# Altium PCB H-00488.PcbDoc (part 5 of 9)
Units mm, origin at the board's own origin, x right, y up, seen from the top; angles counter-clockwise.
Board outline 141.5 x 129 mm, 4 copper layers (Top Layer, Ground Plane, Power Plane, Bottom Layer), stack 1.536 mm thick; 527 components, 572 nets, 2185 pads, 1060 vias.
Unrouted connection lines stored in the file: 97.
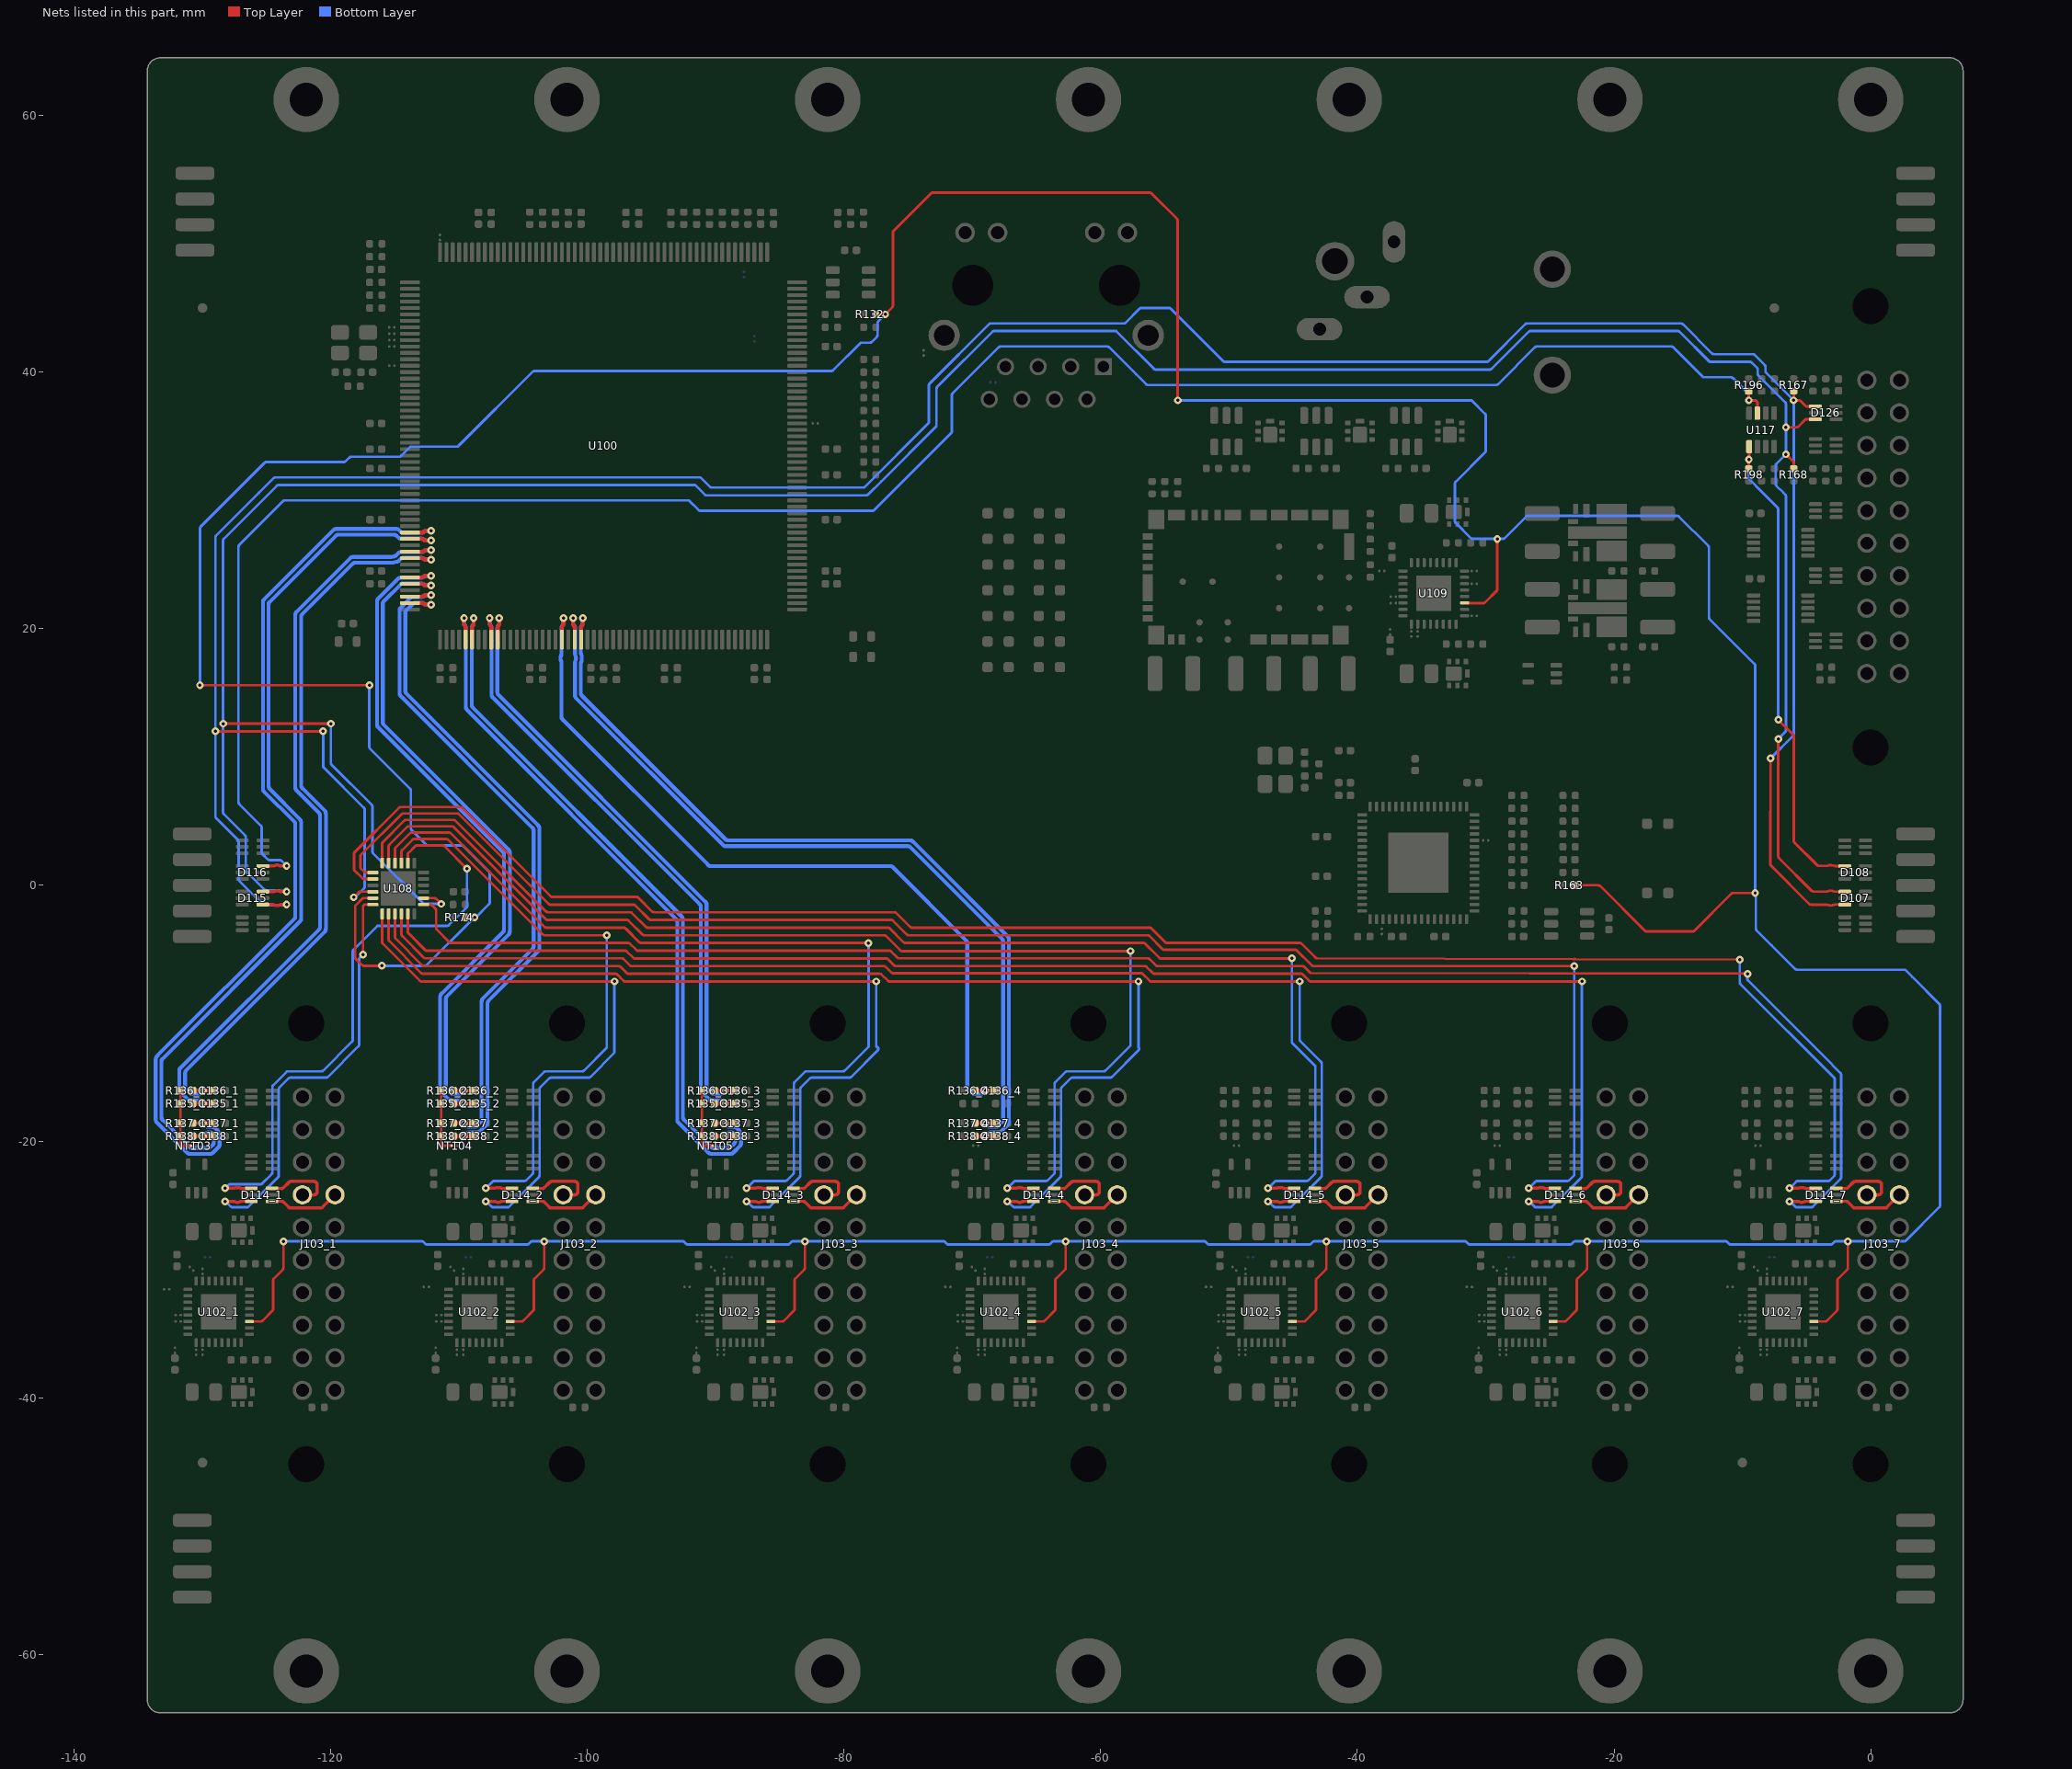
[diagram p7: the nets of this part, all layers, seen from the top]

## Via types
v1: diameter 0.6, hole 0.25, Top Layer to Bottom Layer, 934 vias
v2: diameter 0.7, hole 0.3, Top Layer to Bottom Layer, 112 vias
v3: diameter 1.27, hole 0.711, Top Layer to Bottom Layer, 14 vias

## Nets (pads, with @x,y where several pads share a name; then routed paths per layer and width w, separated by ;. In a path a pad name is that pad's centre, name@x,y a point inside that pad or via, vN(x,y) a via of type N, cw(c..) or ccw(c..) an arc to the next point about the centre after c; other vN are vias at no path point) (continued)
I2C0.SDA: R132.2 R163.2 R174.1 U102_1.19 U102_2.19 U102_3.19 U102_4.19 U102_5.19 U102_6.19 U102_7.19 U108.11 U109.19 | length 502.6
  Top Layer w0.2: v1(-130.2,15.6) v1(-117,15.6) ; U102_1.19@-126.346,-34.004 -125.479,-34.004 ccw(c-125.479,-33.804) -125.337,-33.945 -124.555,-33.163 ccw(c-124.696,-33.021) -124.496,-33.021 -124.496,-30.783 cw(c-124.296,-30.783) -124.437,-30.641 -123.759,-29.963 ccw(c-123.9,-29.821) -123.7,-29.821 v1(-123.7,-27.754) ; U108.11@-116.725,-1 -117.426,-1 -117.427,-1 ccw(c-117.426,-1.2) -117.568,-1.06 -118.043,-1.544 ccw(c-117.9,-1.684) -118.1,-1.684 -118.1,-5.619 ccw(c-117.9,-5.617) -118.041,-5.759 -117.581,-6.219 ccw(c-117.44,-6.077) -117.44,-6.277 v1(-116.016,-6.277) ; R174.1@-109.52,-2.5 v1(-108.8,-2.5) ; U102_2.19@-106.026,-34.004 -105.159,-34.004 ccw(c-105.159,-33.804) -105.017,-33.945 -104.235,-33.163 ccw(c-104.376,-33.021) -104.176,-33.021 -104.176,-30.783 cw(c-103.976,-30.783) -104.117,-30.641 -103.439,-29.963 ccw(c-103.58,-29.821) -103.38,-29.821 v1(-103.38,-27.754) ; U102_3.19@-85.706,-34.004 -84.839,-34.004 ccw(c-84.839,-33.804) -84.697,-33.945 -83.915,-33.163 ccw(c-84.056,-33.021) -83.856,-33.021 -83.856,-30.783 cw(c-83.656,-30.783) -83.797,-30.641 -83.119,-29.963 ccw(c-83.26,-29.821) -83.06,-29.821 v1(-83.06,-27.754) ; R132.2@-77.52,44.5 v1(-76.8,44.5) -76.258,45.042 ; -76.258,45.042 ccw(c-76.399,45.183) -76.199,45.183 -76.199,50.887 cw(c-75.999,50.887) -76.141,51.028 -73.228,53.941 cw(c-73.086,53.8) -73.086,54 -56.183,54 cw(c-56.183,53.8) -56.041,53.941 -54.059,51.959 cw(c-54.2,51.817) -54,51.817 v1(-54,37.8) ; U102_4.19@-65.386,-34.004 -64.519,-34.004 ccw(c-64.519,-33.804) -64.377,-33.945 -63.595,-33.163 ccw(c-63.736,-33.021) -63.536,-33.021 -63.536,-30.783 cw(c-63.336,-30.783) -63.477,-30.641 -62.799,-29.963 ccw(c-62.94,-29.821) -62.74,-29.821 v1(-62.74,-27.754) ; U102_5.19@-45.066,-34.004 -44.199,-34.004 ccw(c-44.199,-33.804) -44.057,-33.945 -43.275,-33.163 ccw(c-43.416,-33.021) -43.216,-33.021 -43.216,-30.783 cw(c-43.016,-30.783) -43.157,-30.641 -42.479,-29.963 ccw(c-42.62,-29.821) -42.42,-29.821 v1(-42.42,-27.754) ; U109.19@-31.65,22 -30.183,22 ccw(c-30.183,22.2) -30.042,22.058 -29.158,22.942 ccw(c-29.3,23.083) -29.1,23.083 v1(-29.1,27) ; U102_6.19@-24.746,-34.004 -23.879,-34.004 ccw(c-23.879,-33.804) -23.737,-33.945 -22.955,-33.163 ccw(c-23.096,-33.021) -22.896,-33.021 -22.896,-30.783 cw(c-22.696,-30.783) -22.837,-30.641 -22.159,-29.963 ccw(c-22.3,-29.821) -22.1,-29.821 v1(-22.1,-27.754) ; R163.2@-23.02,0 -21.23,0 cw(c-21.23,-0.2) -21.089,-0.058 -17.605,-3.541 ccw(c-17.464,-3.4) -17.464,-3.6 -13.883,-3.6 ccw(c-13.883,-3.4) -13.742,-3.542 -10.858,-0.658 cw(c-10.717,-0.8) -10.718,-0.6 ; -10.717,-0.6 v1(-9,-0.6) ; U102_7.19@-4.426,-34.004 -3.559,-34.004 ccw(c-3.559,-33.804) -3.417,-33.945 -2.635,-33.163 ccw(c-2.776,-33.021) -2.576,-33.021 -2.576,-30.783 cw(c-2.376,-30.783) -2.517,-30.641 -1.839,-29.963 ccw(c-1.98,-29.821) -1.78,-29.821 v1(-1.78,-27.754)
  Bottom Layer w0.2: v1(-130.2,15.6) -130.2,27.817 cw(c-130,27.817) -130.141,27.959 -125.159,32.941 cw(c-125.017,32.8) -125.017,33 -118.983,33 ccw(c-118.983,33.2) -118.841,33.059 -118.559,33.341 cw(c-118.417,33.2) -118.417,33.4 -114.683,33.4 ccw(c-114.683,33.6) -114.541,33.459 -113.858,34.142 cw(c-113.717,34) -113.717,34.2 -110.1,34.2 -110,34.3 -104.259,40.041 cw(c-104.117,39.9) -104.117,40.1 -80.983,40.1 ccw(c-80.983,40.3) -80.841,40.159 -78.759,42.241 cw(c-78.617,42.1) -78.617,42.3 -77.983,42.3 ccw(c-77.983,42.5) -77.841,42.359 -77.459,42.741 ccw(c-77.6,42.883) -77.4,42.883 -77.4,43.817 cw(c-77.2,43.817) -77.341,43.959 v1(-76.8,44.5) ; v1@-123.566,-27.749 -112.911,-27.749 cw(c-112.911,-27.949) -112.769,-27.808 -112.633,-27.945 ccw(c-112.491,-27.804) -112.491,-28.003 -104.72,-28.003 ccw(c-104.72,-27.804) -104.578,-27.945 -104.442,-27.808 cw(c-104.3,-27.949) -104.3,-27.749 v1@-103.38,-27.749 ; v1(-117,15.6) -117,10.781 ccw(c-116.8,10.783) -116.941,10.641 -113.828,7.528 cw(c-113.969,7.386) -113.769,7.386 -113.769,4.452 ccw(c-113.569,4.452) -113.71,4.31 -112.559,3.159 ccw(c-112.417,3.3) -112.417,3.1 -109.783,3.1 cw(c-109.783,2.9) -109.641,3.041 -107.684,1.084 cw(c-107.825,0.942) -107.625,0.942 -107.625,-1.342 cw(c-107.825,-1.342) -107.684,-1.484 -108.7,-2.5 v1(-108.8,-2.5) -112.519,-6.219 cw(c-112.66,-6.077) -112.66,-6.277 v1(-116.016,-6.277) ; v1@-103.246,-27.749 -92.591,-27.749 cw(c-92.591,-27.949) -92.449,-27.808 -92.313,-27.945 ccw(c-92.171,-27.804) -92.171,-28.003 -84.4,-28.003 ccw(c-84.4,-27.804) -84.258,-27.945 -84.122,-27.808 cw(c-83.98,-27.949) -83.98,-27.749 v1@-83.06,-27.749 ; v1@-82.926,-27.749 -72.271,-27.749 cw(c-72.271,-27.949) -72.129,-27.808 -71.993,-27.945 ccw(c-71.851,-27.804) -71.851,-28.003 -64.08,-28.003 ccw(c-64.08,-27.804) -63.938,-27.945 -63.802,-27.808 cw(c-63.66,-27.949) -63.66,-27.749 v1@-62.74,-27.749 ; v1@-62.606,-27.749 -51.951,-27.749 cw(c-51.951,-27.949) -51.809,-27.808 -51.673,-27.945 ccw(c-51.531,-27.804) -51.531,-28.003 -43.76,-28.003 ccw(c-43.76,-27.804) -43.618,-27.945 -43.482,-27.808 cw(c-43.34,-27.949) -43.34,-27.749 v1@-42.42,-27.749 ; v1(-54,37.8) -31.1,37.8 -31.042,37.742 -30.059,36.759 cw(c-30.2,36.617) -30,36.617 -30,33.883 cw(c-30.2,33.883) -30.058,33.742 -32.342,31.458 ccw(c-32.2,31.317) -32.4,31.318 -32.4,28.381 ccw(c-32.2,28.383) -32.342,28.242 -31.175,27.075 ccw(c-31.034,27.217) -31.036,27.017 v1(-29.1,27) -28.683,27 ccw(c-28.683,27.2) -28.542,27.058 -26.859,28.741 cw(c-26.717,28.6) -26.717,28.8 -15.083,28.8 cw(c-15.083,28.6) -14.941,28.741 -12.659,26.459 cw(c-12.8,26.317) -12.6,26.317 -12.6,20.881 ccw(c-12.4,20.883) -12.542,20.742 -11.861,20.061 -9.059,17.259 cw(c-9.2,17.117) -9,17.118 ; v1@-42.286,-27.749 -31.631,-27.749 cw(c-31.631,-27.949) -31.489,-27.808 -31.353,-27.945 ccw(c-31.211,-27.804) -31.211,-28.003 -23.44,-28.003 ccw(c-23.44,-27.804) -23.298,-27.945 -23.162,-27.808 cw(c-23.02,-27.949) -23.02,-27.749 v1@-22.1,-27.749 ; v1@-21.966,-27.749 -11.311,-27.749 cw(c-11.311,-27.949) -11.169,-27.808 -11.033,-27.945 ccw(c-10.891,-27.804) -10.891,-28.003 -3.12,-28.003 ccw(c-3.12,-27.804) -2.978,-27.945 -2.842,-27.808 cw(c-2.7,-27.949) -2.7,-27.749 v1@-1.78,-27.749 ; -9,17.117 -9,1.9 v1(-9,-0.6) -8.942,-0.658 -8.942,-3.375 ccw(c-8.742,-3.375) -8.883,-3.517 -7.706,-4.694 -5.879,-6.521 ccw(c-5.738,-6.379) -5.739,-6.579 2.679,-6.579 3.244,-7.144 5.34,-9.24 cw(c5.2,-9.383) 5.4,-9.383 5.4,-24.964 cw(c5.2,-24.964) 5.341,-25.105 2.751,-27.695 cw(c2.61,-27.554) 2.61,-27.754 v1(-1.78,-27.754)
I2C1.SCL: D114_1.4 U108.2 | length 47.5
  Top Layer w0.2: U108.2@-114,1.725 -114,2.405 cw(c-113.8,2.405) -113.941,2.547 -113.447,3.041 ; -113.446,3.042 cw(c-113.305,2.9) -113.305,3.1 -111.283,3.1 cw(c-111.283,2.9) -111.141,3.041 v1(-109.4,1.3)
  Top Layer w0.25: v1(-128.242,-23.622) -127.625,-23.622 ccw(c-127.626,-23.372) -127.528,-23.602 cw(c-127.3,-24.13) -127.06,-23.607 ccw(c-126.957,-23.38) -126.959,-23.63 D114_1.4@-126.2,-23.63
  Bottom Layer w0.2: v1(-128.242,-23.622) -127.979,-23.359 cw(c-127.838,-23.501) -127.838,-23.301 -125.48,-23.301 ccw(c-125.48,-23.101) -125.339,-23.242 -124.619,-22.522 ccw(c-124.76,-22.38) -124.56,-22.38 -124.56,-15.728 cw(c-124.36,-15.729) -124.501,-15.587 -123.506,-14.592 -123.473,-14.558 cw(c-123.331,-14.7) -123.331,-14.5 -120.743,-14.5 ccw(c-120.743,-14.3) -120.602,-14.442 -118.359,-12.199 ccw(c-118.5,-12.057) -118.3,-12.057 -118.3,-5.166 cw(c-118.1,-5.166) -118.241,-5.024 -116.376,-3.159 -110.941,-3.159 ccw(c-110.941,-2.959) -110.8,-3.1 -109.459,-1.759 ccw(c-109.6,-1.617) -109.4,-1.617 v1@-109.4,1.441
I2C1.SDA: D114_1.6 U108.12 | length 33.7
  Top Layer w0.2: v1(-117.5,-5.397) -117.5,-2.302 -117.5,-2.298 -117.5,-1.7 cw(c-117.3,-1.7) -117.3,-1.5 U108.12@-116.725,-1.5
  Top Layer w0.25: v1(-128.242,-24.638) -127.625,-24.638 cw(c-127.626,-24.888) -127.528,-24.658 ccw(c-127.3,-24.13) -127.06,-24.653 cw(c-126.957,-24.88) -126.959,-24.63 D114_1.6@-126.2,-24.63
  Bottom Layer w0.2: v1(-128.242,-24.638) -128.211,-24.638 -127.823,-25.027 ccw(c-127.646,-24.85) -127.646,-25.1 -126.574,-25.1 ccw(c-126.574,-24.85) -126.396,-25.026 -124.119,-22.749 ccw(c-124.26,-22.607) -124.06,-22.607 -124.06,-15.883 cw(c-123.86,-15.883) -124.001,-15.741 -123.319,-15.059 cw(c-123.177,-15.2) -123.177,-15 -120.383,-15 ccw(c-120.383,-14.8) -120.241,-14.941 -117.859,-12.559 ; -117.858,-12.558 ccw(c-118,-12.417) -117.8,-12.417 -117.8,-5.78 cw(c-117.6,-5.78) -117.741,-5.639 v1(-117.5,-5.397)
I2C2.SCL: D114_2.4 U108.3 | length 49.3
  Top Layer w0.2: U108.3@-114.5,1.725 -114.5,2.613 cw(c-114.3,2.613) -114.441,2.754 -113.654,3.542 cw(c-113.512,3.4) -113.512,3.6 -110.99,3.6 cw(c-110.99,3.4) -110.848,3.542 -103.465,-3.841 ccw(c-103.324,-3.7) -103.324,-3.9 v1(-98.5,-3.9)
  Top Layer w0.25: v1(-107.922,-23.622) -107.305,-23.622 ccw(c-107.306,-23.372) -107.208,-23.602 cw(c-106.98,-24.13) -106.74,-23.607 ccw(c-106.637,-23.38) -106.639,-23.63 D114_2.4@-105.88,-23.63
  Bottom Layer w0.2: v1(-107.922,-23.622) -107.423,-23.123 cw(c-107.246,-23.3) -107.246,-23.05 -104.93,-23.05 ccw(c-104.93,-22.8) -104.754,-22.977 -104.299,-22.522 ccw(c-104.44,-22.38) -104.24,-22.38 -104.24,-15.483 cw(c-104.04,-15.483) -104.181,-15.341 -103.399,-14.559 cw(c-103.257,-14.7) -103.257,-14.5 -100.423,-14.5 ccw(c-100.423,-14.3) -100.282,-14.442 -98.5,-12.66 v1(-98.5,-3.9)
I2C2.SDA: D114_2.6 U108.13 | length 48.4
  Top Layer w0.2: U108.13@-116,-2.2 -116,-4.426 ccw(c-115.8,-4.424) -115.942,-4.565 -113.065,-7.442 ccw(c-112.924,-7.3) -112.926,-7.5 v1(-97.9,-7.5)
  Top Layer w0.25: v1(-107.922,-24.638) -107.305,-24.638 cw(c-107.306,-24.888) -107.208,-24.658 ccw(c-106.98,-24.13) -106.74,-24.653 cw(c-106.637,-24.88) -106.639,-24.63 D114_2.6@-105.88,-24.63
  Bottom Layer w0.2: v1(-107.922,-24.638) -107.891,-24.638 -107.503,-25.027 ccw(c-107.326,-24.85) -107.326,-25.1 -106.254,-25.1 ccw(c-106.254,-24.85) -106.076,-25.026 -103.799,-22.749 ccw(c-103.94,-22.607) -103.74,-22.607 -103.74,-15.883 cw(c-103.54,-15.883) -103.681,-15.741 -102.999,-15.059 cw(c-102.857,-15.2) -102.857,-15 -99.923,-15 -99.84,-15 -99.781,-14.941 ; -99.781,-14.941 -97.9,-13.06 v1(-97.9,-7.5)
I2C3.SCL: D114_3.4 U108.4 | length 70.4
  Top Layer w0.2: U108.4@-115,1.725 -115,2.819 cw(c-114.8,2.819) -114.941,2.961 -113.861,4.041 cw(c-113.719,3.9) -113.719,4.1 -110.783,4.1 cw(c-110.783,3.9) -110.641,4.041 -103.359,-3.241 ccw(c-103.217,-3.1) -103.217,-3.3 -97.177,-3.3 cw(c-97.177,-3.5) -97.035,-3.359 -95.953,-4.441 ccw(c-95.811,-4.3) -95.811,-4.5 v1(-78.1,-4.5)
  Top Layer w0.25: v1(-87.602,-23.622) -86.985,-23.622 ccw(c-86.986,-23.372) -86.888,-23.602 cw(c-86.66,-24.13) -86.42,-23.607 ccw(c-86.317,-23.38) -86.319,-23.63 D114_3.4@-85.56,-23.63
  Bottom Layer w0.2: v1(-87.602,-23.622) -87.103,-23.123 cw(c-86.926,-23.3) -86.926,-23.05 -84.61,-23.05 ccw(c-84.61,-22.8) -84.434,-22.977 -83.979,-22.522 ccw(c-84.12,-22.38) -83.92,-22.38 -83.92,-15.483 cw(c-83.72,-15.483) -83.861,-15.341 -83.079,-14.559 cw(c-82.937,-14.7) -82.937,-14.5 -80.103,-14.5 ccw(c-80.103,-14.3) -79.962,-14.442 -78.1,-12.58 v1(-78.1,-4.5)
I2C3.SDA: D114_3.6 U108.14 | length 68.4
  Top Layer w0.2: U108.14@-115.5,-2.2 -115.5,-4.217 ccw(c-115.3,-4.217) -115.442,-4.358 -112.958,-6.842 ccw(c-112.817,-6.7) -112.818,-6.9 -97.82,-6.9 cw(c-97.82,-7.1) -97.677,-6.959 -97.606,-7.031 ccw(c-97.465,-6.889) -97.581,-7.052 cw(c-97.9,-7.5) -97.452,-7.181 ccw(c-97.289,-7.065) -97.432,-7.205 -97.195,-7.441 ccw(c-97.054,-7.3) -97.054,-7.5 v1(-77.5,-7.5)
  Top Layer w0.25: v1(-87.602,-24.638) -86.985,-24.638 cw(c-86.986,-24.888) -86.888,-24.658 ccw(c-86.66,-24.13) -86.42,-24.653 cw(c-86.317,-24.88) -86.319,-24.63 D114_3.6@-85.56,-24.63
  Bottom Layer w0.2: v1(-87.602,-24.638) -87.571,-24.638 -87.183,-25.027 ccw(c-87.006,-24.85) -87.006,-25.1 -85.934,-25.1 ccw(c-85.934,-24.85) -85.756,-25.026 -83.479,-22.749 ccw(c-83.62,-22.607) -83.42,-22.607 -83.42,-15.883 cw(c-83.22,-15.883) -83.361,-15.741 -82.679,-15.059 cw(c-82.537,-15.2) -82.537,-15 -79.603,-15 ccw(c-79.603,-14.8) -79.461,-14.941 ; -79.461,-14.941 -77.379,-12.859 ccw(c-77.52,-12.717) -77.32,-12.717 -77.5,-12.537 v1(-77.5,-7.5)
I2C4.SCL: D114_4.4 U108.5 | length 91.5
  Top Layer w0.2: U108.5@-115.5,1.725 -115.5,3.026 cw(c-115.3,3.026) -115.441,3.168 -114.068,4.541 cw(c-113.926,4.4) -113.926,4.6 -110.576,4.6 cw(c-110.576,4.4) -110.434,4.541 -103.252,-2.641 ccw(c-103.11,-2.5) -103.11,-2.7 -96.928,-2.7 cw(c-96.928,-2.9) -96.786,-2.759 -95.704,-3.841 ccw(c-95.563,-3.7) -95.563,-3.9 -76.877,-3.9 cw(c-76.877,-4.1) -76.735,-3.959 -75.618,-5.075 ccw(c-75.477,-4.934) -75.477,-5.134 v1(-57.678,-5.134)
  Top Layer w0.25: v1(-67.282,-23.622) -66.665,-23.622 ccw(c-66.666,-23.372) -66.568,-23.602 cw(c-66.34,-24.13) -66.1,-23.607 ccw(c-65.997,-23.38) -65.999,-23.63 D114_4.4@-65.24,-23.63
  Bottom Layer w0.2: v1(-67.282,-23.622) -66.783,-23.123 cw(c-66.606,-23.3) -66.606,-23.05 -64.29,-23.05 ccw(c-64.29,-22.8) -64.114,-22.977 -63.659,-22.522 ccw(c-63.8,-22.38) -63.6,-22.38 -63.6,-15.483 cw(c-63.4,-15.483) -63.541,-15.341 -62.759,-14.559 cw(c-62.617,-14.7) -62.617,-14.5 -59.783,-14.5 ccw(c-59.783,-14.3) -59.642,-14.442 -57.678,-12.478 v1(-57.678,-5.134)
I2C4.SDA: D114_4.6 U108.15 | length 88.1
  Top Layer w0.2: U108.15@-115,-2.225 -115,-4.036 ccw(c-114.8,-4.036) -114.942,-4.178 -112.878,-6.241 ccw(c-112.736,-6.1) -112.737,-6.3 -97.571,-6.3 cw(c-97.571,-6.5) -97.429,-6.359 -96.947,-6.841 ccw(c-96.805,-6.7) -96.805,-6.9 -77.223,-6.9 cw(c-77.223,-7.1) -77.08,-6.959 -76.598,-7.441 ccw(c-76.457,-7.3) -76.457,-7.5 v1(-57.059,-7.5)
  Top Layer w0.25: v1(-67.282,-24.638) -66.665,-24.638 cw(c-66.666,-24.888) -66.568,-24.658 ccw(c-66.34,-24.13) -66.1,-24.653 cw(c-65.997,-24.88) -65.999,-24.63 D114_4.6@-65.24,-24.63
  Bottom Layer w0.2: v1(-67.282,-24.638) -67.251,-24.638 -66.863,-25.027 ccw(c-66.686,-24.85) -66.686,-25.1 -65.614,-25.1 ccw(c-65.614,-24.85) -65.436,-25.026 -63.159,-22.749 ccw(c-63.3,-22.607) -63.1,-22.607 -63.1,-15.883 cw(c-62.9,-15.883) -63.041,-15.741 -62.359,-15.059 cw(c-62.217,-15.2) -62.217,-15 -59.283,-15 ccw(c-59.283,-14.8) -59.141,-14.941 ; -59.141,-14.941 -57.059,-12.859 ccw(c-57.2,-12.717) -57,-12.717 -57.059,-12.659 v1(-57.059,-7.5)
I2C5.SCL: D114_5.4 U108.6 | length 101.3
  Top Layer w0.2: U108.6@-116,1.725 -116,3.234 cw(c-115.8,3.234) -115.941,3.375 -114.275,5.041 cw(c-114.134,4.9) -114.134,5.1 -110.451,5.1 cw(c-110.451,4.9) -110.31,5.041 -103.227,-2.041 ccw(c-103.086,-1.9) -103.086,-2.1 -96.68,-2.1 cw(c-96.68,-2.3) -96.538,-2.159 -95.456,-3.241 ccw(c-95.314,-3.1) -95.314,-3.3 -76.58,-3.3 cw(c-76.58,-3.5) -76.438,-3.359 -75.356,-4.441 ccw(c-75.214,-4.3) -75.214,-4.5 -56.681,-4.5 cw(c-56.681,-4.7) -56.539,-4.559 -55.457,-5.641 ccw(c-55.315,-5.5) -55.315,-5.7 v1(-45.1,-5.7)
  Top Layer w0.25: v1(-46.962,-23.622) -46.345,-23.622 ccw(c-46.346,-23.372) -46.248,-23.602 cw(c-46.02,-24.13) -45.78,-23.607 ccw(c-45.677,-23.38) -45.679,-23.63 D114_5.4@-44.92,-23.63
  Bottom Layer w0.2: v1(-46.962,-23.622) -46.463,-23.123 cw(c-46.286,-23.3) -46.286,-23.05 -43.97,-23.05 ccw(c-43.97,-22.8) -43.794,-22.977 -43.339,-22.522 ccw(c-43.48,-22.38) -43.28,-22.38 -43.28,-14.102 -45.1,-12.282 v1(-45.1,-5.7)
I2C5.SDA: D114_5.6 U108.16 | length 96.4
  Top Layer w0.2: U108.16@-114.5,-2.225 -114.5,-3.819 ccw(c-114.3,-3.817) -114.442,-3.958 -112.762,-5.638 ccw(c-112.622,-5.495) -112.623,-5.695 -97.327,-5.695 cw(c-97.327,-5.895) -97.186,-5.754 -96.698,-6.241 ccw(c-96.557,-6.1) -96.557,-6.3 -76.903,-6.3 cw(c-76.903,-6.5) -76.761,-6.359 -76.329,-6.791 ccw(c-76.188,-6.65) -76.188,-6.85 -56.876,-6.85 cw(c-56.876,-7.05) -56.735,-6.909 -56.202,-7.441 ccw(c-56.061,-7.3) -56.061,-7.5 v1(-44.5,-7.5)
  Top Layer w0.25: v1(-46.962,-24.638) -46.345,-24.638 cw(c-46.346,-24.888) -46.248,-24.658 ccw(c-46.02,-24.13) -45.78,-24.653 cw(c-45.677,-24.88) -45.679,-24.63 D114_5.6@-44.92,-24.63
  Bottom Layer w0.2: v1(-46.962,-24.638) -46.931,-24.638 -46.543,-25.027 ccw(c-46.366,-24.85) -46.366,-25.1 -45.294,-25.1 ccw(c-45.294,-24.85) -45.116,-25.026 -42.839,-22.749 ccw(c-42.98,-22.607) -42.78,-22.607 -42.78,-13.903 ccw(c-42.98,-13.903) -42.839,-13.761 -44.441,-12.159 cw(c-44.3,-12.017) -44.5,-12.017 v1(-44.5,-7.5)
I2C6.SCL: D114_6.4 U108.7 | length 125.2
  Top Layer w0.2: U108.7@-116.725,1 -117.267,1 cw(c-117.267,1.2) -117.409,1.059 -117.641,1.291 cw(c-117.5,1.433) -117.7,1.433 -117.7,2.241 cw(c-117.5,2.241) -117.641,2.382 -114.482,5.541 cw(c-114.341,5.4) -114.341,5.6 -110.162,5.6 cw(c-110.162,5.4) -110.02,5.541 -103.021,-1.458 ccw(c-102.88,-1.316) -102.88,-1.516 -96.415,-1.516 cw(c-96.415,-1.716) -96.273,-1.575 -95.207,-2.641 ccw(c-95.066,-2.5) -95.066,-2.7 -76.331,-2.7 cw(c-76.331,-2.9) -76.189,-2.759 -75.107,-3.841 ccw(c-74.966,-3.7) -74.966,-3.9 -56.336,-3.9 cw(c-56.336,-4.1) -56.194,-3.959 -55.18,-4.973 ccw(c-55.038,-4.832) -55.038,-5.032 -44.851,-5.032 cw(c-44.851,-5.232) -44.709,-5.091 -43.559,-6.241 ccw(c-43.417,-6.1) -43.417,-6.3 -23.8,-6.3 v1(-23.1,-6.3)
  Top Layer w0.25: v1(-26.642,-23.622) -26.025,-23.622 ccw(c-26.026,-23.372) -25.928,-23.602 cw(c-25.7,-24.13) -25.46,-23.607 ccw(c-25.357,-23.38) -25.359,-23.63 D114_6.4@-24.6,-23.63
  Bottom Layer w0.2: v1(-26.642,-23.622) -26.143,-23.123 cw(c-25.966,-23.3) -25.966,-23.05 -23.65,-23.05 ccw(c-23.65,-22.8) -23.474,-22.977 -23.159,-22.662 ; -23.158,-22.661 ccw(c-23.3,-22.52) -23.1,-22.52 v1(-23.1,-6.3)
I2C6.SDA: D114_6.6 U108.17 | length 117
  Top Layer w0.2: U108.17@-114,-2.225 -114,-3.617 ccw(c-113.8,-3.617) -113.942,-3.758 -112.658,-5.042 ccw(c-112.517,-4.9) -112.518,-5.1 -97.074,-5.1 cw(c-97.074,-5.3) -96.932,-5.159 -96.45,-5.641 ccw(c-96.308,-5.5) -96.308,-5.7 -76.726,-5.7 cw(c-76.726,-5.9) -76.583,-5.759 -76.101,-6.241 ccw(c-75.96,-6.1) -75.96,-6.3 -56.578,-6.3 cw(c-56.578,-6.5) -56.436,-6.359 -55.954,-6.841 ccw(c-55.812,-6.7) -55.812,-6.9 -44.383,-6.9 cw(c-44.383,-7.1) -44.241,-6.959 -43.759,-7.441 ccw(c-43.617,-7.3) -43.617,-7.5 v1(-22.5,-7.5)
  Top Layer w0.25: v1(-26.642,-24.638) -26.025,-24.638 cw(c-26.026,-24.888) -25.928,-24.658 ccw(c-25.7,-24.13) -25.46,-24.653 cw(c-25.357,-24.88) -25.359,-24.63 D114_6.6@-24.6,-24.63
  Bottom Layer w0.2: v1(-26.642,-24.638) -26.611,-24.638 -26.223,-25.027 ccw(c-26.046,-24.85) -26.046,-25.1 -24.974,-25.1 ccw(c-24.974,-24.85) -24.796,-25.026 -22.559,-22.789 ccw(c-22.7,-22.647) -22.5,-22.647 v1(-22.5,-7.5)
I2C7.SCL: D114_7.4 U108.8 | length 143.2
  Top Layer w0.2: U108.8@-116.725,0.5 -117.419,0.5 cw(c-117.417,0.7) -117.558,0.558 -118.143,1.142 cw(c-118,1.283) -118.2,1.281 -118.2,2.448 cw(c-118,2.448) -118.141,2.589 -114.689,6.041 cw(c-114.548,5.9) -114.548,6.1 -109.924,6.1 cw(c-109.924,5.9) -109.783,6.041 -102.9,-0.841 ccw(c-102.758,-0.7) -102.758,-0.9 -96.183,-0.9 cw(c-96.183,-1.1) -96.041,-0.959 -94.959,-2.041 ccw(c-94.817,-1.9) -94.817,-2.1 -76.083,-2.1 cw(c-76.083,-2.3) -75.941,-2.159 -74.859,-3.241 ccw(c-74.717,-3.1) -74.717,-3.3 -56.183,-3.3 cw(c-56.183,-3.5) -56.041,-3.359 -54.959,-4.441 ccw(c-54.818,-4.299) -54.818,-4.499 -44.483,-4.499 cw(c-44.483,-4.699) -44.342,-4.558 -43.272,-5.628 ; -43.272,-5.628 ccw(c-43.131,-5.486) -43.133,-5.686 -23.198,-5.757 ccw(c-23.199,-5.557) -23.174,-5.755 cw(c-23.1,-6.3) -23.023,-5.755 ccw(c-22.996,-5.557) -22.998,-5.757 -10.23,-5.802 ccw(c-10.231,-5.602) v1(-10.2,-5.8)
  Top Layer w0.25: v1(-6.322,-23.622) -5.705,-23.622 ccw(c-5.706,-23.372) -5.608,-23.602 cw(c-5.38,-24.13) -5.14,-23.607 ccw(c-5.037,-23.38) -5.039,-23.63 D114_7.4@-4.28,-23.63
  Bottom Layer w0.2: v1(-10.2,-5.8) -10.2,-7.567 ccw(c-10,-7.567) -10.142,-7.708 -2.858,-14.991 cw(c-3,-15.132) -2.8,-15.131 ; v1(-6.322,-23.622) -5.823,-23.123 cw(c-5.646,-23.3) -5.646,-23.05 -3.33,-23.05 ccw(c-3.33,-22.8) -3.154,-22.977 -2.873,-22.697 ccw(c-3.05,-22.52) -2.8,-22.52 -2.8,-15.132